# Altium PCB MCC17.PcbDoc (part 3 of 5)
Units mm, origin at the board's own origin, x right, y up, seen from the top; angles counter-clockwise.
Board outline 170 x 100 mm, 2 copper layers (Top Layer, Bottom Layer), stack 1.571 mm thick; 112 components, 68 nets, 349 pads, 74 vias.
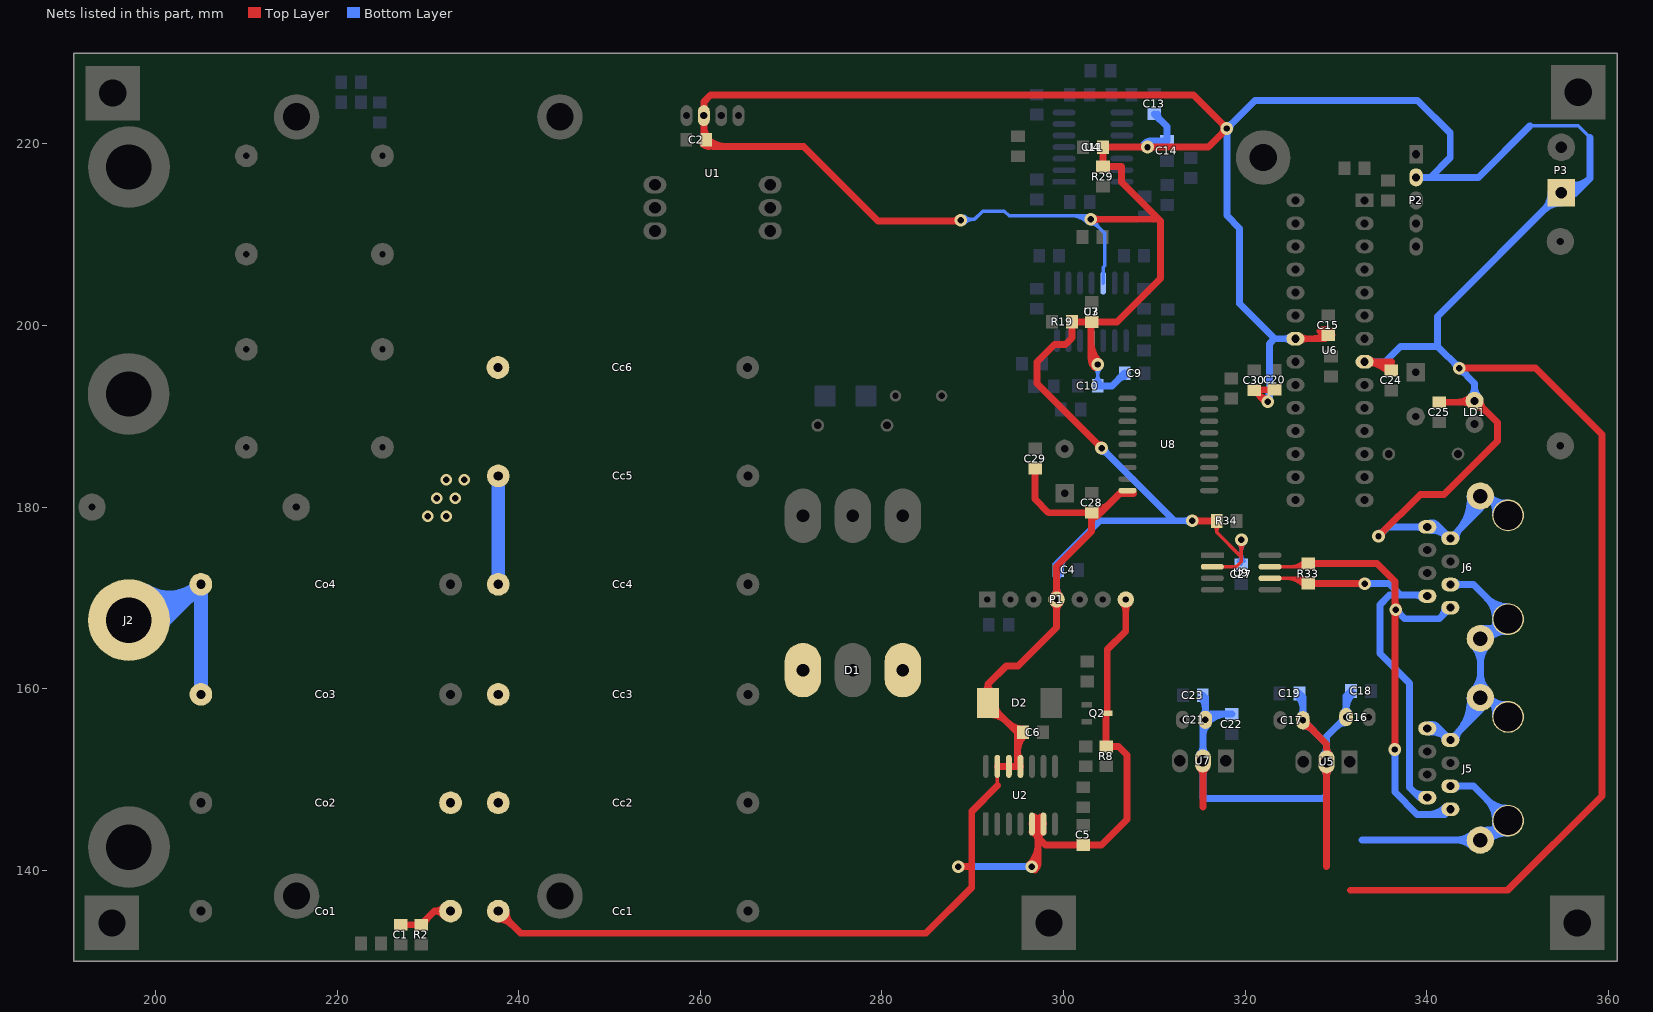
[diagram p3: the nets of this part, all layers, seen from the top]

## Via types
v1: diameter 1.4, hole 0.7, Top Layer to Bottom Layer, 48 vias
v2: diameter 1.27, hole 0.711, Top Layer to Bottom Layer, 24 vias
v3: diameter 5, hole 5, Top Layer to Bottom Layer, 2 vias

## Nets (pads, with @x,y where several pads share a name; then routed paths per layer and width w, separated by ;. In a path a pad name is that pad's centre, name@x,y a point inside that pad or via, vN(x,y) a via of type N, cw(c..) or ccw(c..) an arc to the next point about the centre after c; other vN are vias at no path point) (continued)
CAN_GND: C1.2 C2.2 C4.1 C5.1 C6.1 C7.1 C9.1 C10.1 C11.1 C13.1 C14.1 C15.2 C16.2 C17.2 C18.1 C19.1 C20.1 C21.2 C22.1 C23.1 C24.1 C25.1 C27.2 C28.1 C29.1 C30.2 Cc1.2 Cc2.2 Cc3.2 Cc4.2 Cc5.2 Cc6.2 Co1.2 Co2.2 Co3.2 Co4.2 D1.1 D1.3 D2.1 J2.1 J5.3 J5.7 J5.8 J5.S J6.3 J6.7 J6.8 J6.S LD1.2 P1.4 P1.7 P2.2 P3.1 Q2.3 R2.2 R8.1 R19.1 R29.1 R34.2 U1.8 U2.5 U2.6 U2.11 U2.12 U2.13 U3.5 U3.11 U4.11 U5.2 U6.8 U6.22 U7.2 U8.9 U9.2 | length 1793.5
  Top Layer w0.381: U1.8@260.395,222.865 U1.8@260.395,223.12 ; 292.72,149.32 U2.13@292.72,151.45 ; R19.1@300.95,200.4 R19.1@301.05,200.4 ; C7.1@303.05,200.4 C7.1@303.1,200.4 ; C11.1@304.35,219.65 C11.1@304.4,219.65 ; R8.1@304.7,153.65 R8.1@304.825,153.775 ; Q2.3@304.825,157.175 Q2.3@304.825,157.3 ; U9.2@316.399,173.429 319.029,173.429 319.6,174 v1(319.6,176.4) ; R34.2@316.875,178.287 316.875,177.225 319.5,174.6 ; v1@319.24,176.04 cw(c318.37,175.17) 319.6,175.17 cw(c320.83,175.17) v1@319.96,176.04 ; v1@319.286,176.086 cw(c318.527,175.327) 319.6,175.327 cw(c320.673,175.327) v1@319.914,176.086 ; C20.1@323.2,192.875 C20.1@323.25,192.925 ; P2.2@338.84,216.315 P2.2@339,216.315 ; 316.875,177.266 cw(c317.984,177.266) 317.2,178.05 ccw(c317.984,177.266) 316.875,177.266 ; 316.875,177.266 ccw(c315.766,177.266) 316.55,178.05 cw(c315.766,177.266) 316.875,177.266
  Top Layer w0.762: C1.2@227,134 R2.2@229.25,134 230.75,135.5 ; Co1.2@232.5,135.5 230.75,135.5 ; Cc1.2@237.75,135.5 240.18,133.07 284.87,133.07 289.9,138.1 289.9,140.4 ; 287.712,211.51 ccw(c287.712,212.587) v1@288.474,211.825 ; v1(288.4,140.4) 289.9,140.4 ; v1@288.626,140.174 cw(c289.17,139.63) 289.17,140.4 cw(c289.17,141.17) v1@288.626,140.625 ; v1(288.699,211.6) 288.609,211.51 279.585,211.51 271.394,219.7 261.4,219.7 C2.2@260.65,220.45 260.395,220.705 U1.8@260.395,223.12 260.395,224.645 261.15,225.4 314.3,225.4 v1(318,221.7) 315.95,219.65 v1(309.25,219.65) C11.1@304.35,219.65 R29.1@304.35,217.5 306.4,217.5 306.4,215.8 310.5,211.7 ; 292.72,149.32 289.9,146.5 289.9,140.4 ; U2.13@292.72,151.45 U2.12@293.99,151.45 U2.11@295.26,151.45 294.95,151.76 C6.1@294.95,155.2 ; C6.1@295.55,155.2 C6.1@294.95,155.2 ; v1@296.274,140.626 ccw(c294.04,142.86) 297.2,142.86 ; v1(296.5,140.4) 297.2,141.1 297.2,143.6 ; U2.5@296.53,145.1 297.2,145.1 ; v1@296.813,140.087 ccw(c295.88,141.02) 297.2,141.02 ; C29.1@296.876,184.251 296.876,180.876 298.376,179.376 C28.1@303.101,179.376 C28.1@303.101,179.376 303.1,177.3 299.245,173.445 P1.4@299.245,169.825 299.245,166.755 294.99,162.5 293.7,162.5 291.7,160.5 ; U2.6@297.8,145.1 297.2,145.1 ; v1(302.999,211.7) 310.5,211.7 ; 303.05,196.38 ccw(c304.456,196.38) v1@303.462,195.386 ; 303.05,198.22 ccw(c306.295,198.22) v1@304.001,195.925 ; v1@303.225,211.474 cw(c303.77,210.929) 303.77,211.7 cw(c303.77,212.47) v1@303.225,211.925 ; v1(303.775,195.7) 303.05,196.425 C7.1@303.05,200.4 ; v1@303.881,186.5 ccw(c303.111,186.5) 303.655,187.045 ccw(c304.2,187.589) v1@304.2,186.819 ; 304.076,179.376 306.2,181.5 307.051,181.5 307.7,181.5 ; v1(304.2,186.5) 297.1,193.6 297.1,196 299,197.9 300.2,197.9 300.95,198.65 R19.1@300.95,200.4 C7.1@303.05,200.4 ; Q2.3@304.7,157.175 R8.1@304.7,153.65 306.05,153.65 307,152.7 307,145.6 304.2,142.8 C5.1@302.2,142.8 298,142.8 297.2,143.6 ; Q2.3@304.825,157.3 304.825,164.325 306.865,166.365 P1.7@306.865,169.825 ; v1@309.024,219.424 ccw(c308.48,218.88) 308.48,219.65 ccw(c308.48,220.42) v1@309.024,219.876 ; v1@309.476,219.424 cw(c310.02,218.88) 310.02,219.65 cw(c310.02,220.42) v1@309.476,219.876 ; v1(314.2,178.5) 314.225,178.475 R34.2@316.875,178.475 ; v1@314.38,178.68 ccw(c314.874,179.174) v1@314.874,178.475 ; v1@314.426,178.274 cw(c314.91,177.79) 314.91,178.475 ; v1@314.426,178.726 ccw(c315.03,179.33) 315.03,178.475 ; 315.36,146.96 U7.2@315.36,152.05 ; v1@318,221.381 ccw(c318,220.611) 317.455,221.155 ccw(c316.911,221.7) 317.681,221.7 ccw(c316.911,221.7) 317.455,222.245 ccw(c318,222.789) v1@318,222.019 ; C30.2@321.572,192.303 ccw(c322.499,193.229) v1@322.499,191.919 ; v1@322.387,191.488 C30.2@321,192.875 321.05,192.925 C20.1@323.25,192.925 ; U6.22@325.545,198.545 328.785,198.545 C15.2@329.165,198.925 328.504,199.586 ; U6.22@325.806,198.284 cw(c326.436,197.654) 326.436,198.545 cw(c326.436,199.436) U6.22@325.806,198.806 ; U6.22@326.056,198.284 cw(c326.686,197.654) 326.686,198.545 cw(c326.686,199.436) U6.22@326.056,198.806 ; C17.2@326.375,155.906 cw(c326.375,154.412) 327.432,155.468 ; C17.2@326.375,156.525 328.975,153.925 ; U5.2@328.616,151.21 cw(c327.749,150.343) 328.975,150.343 cw(c330.201,150.343) U5.2@329.334,151.21 ; 328.975,140.425 U5.2@328.975,151.95 ; 328.975,153.557 ccw(c330.201,153.557) U5.2@329.334,152.69 ; 331.6,137.8 348.9,137.8 359.3,148.2 359.3,188 352,195.3 v1(343.6,195.3) ; U6.8@333.676,195.744 cw(c334.306,195.114) 334.306,196.005 cw(c334.306,196.896) U6.8@333.676,196.266 ; v1(334.7,176.8) 339.3,181.4 341.9,181.4 347.8,187.3 347.8,189.306 LD1.2@345.406,191.7 ; v1@334.7,177.119 ccw(c334.7,177.889) 335.245,177.345 ccw(c335.789,176.8) v1@335.019,176.8 ; C24.1@336.115,195.05 335.16,196.005 ; 336.115,196.005 335.16,196.005 ; C25.1@341.39,191.55 LD1.2@345.125,191.55 ; 343.418,191.55 ccw(c343.418,193.557) LD1.2@344.837,192.138 ; v1@343.825,195.075 cw(c344.37,194.53) 344.37,195.3 cw(c344.37,196.07) v1@343.825,195.526 ; 344.143,191.55 cw(c344.143,190.568) LD1.2@344.837,191.262 ; LD1.2@345.275,191.081 cw(c345.275,189.269) 346.556,190.55 ; LD1.2@345.894,191.7 ccw(c347.071,191.7) 346.239,190.868 ; R2.2@229.619,134 cw(c230.51,134) R2.2@229.88,134.63 ; R2.2@229.619,134 cw(c230.51,134) R2.2@229.88,134.63 ; R2.2@229.619,134 cw(c230.51,134) R2.2@229.88,134.63 ; R2.2@229.619,134 cw(c230.51,134) R2.2@229.88,134.63 ; 230.75,135.5 cw(c230.75,134.173) Co1.2@231.808,134.975 ; 230.75,135.5 ccw(c230.75,136.827) Co1.2@231.808,136.025 ; 230.75,135.5 cw(c230.75,134.173) Co1.2@231.808,134.975 ; 230.75,135.5 ccw(c230.75,136.827) Co1.2@231.808,136.025 ; 230.75,135.5 ccw(c230.75,136.827) Co1.2@231.808,136.025 ; 230.75,135.5 cw(c230.75,134.173) Co1.2@231.808,134.975 ; 230.75,135.5 ccw(c230.75,136.827) Co1.2@231.808,136.025 ; 230.75,135.5 cw(c230.75,134.173) Co1.2@231.808,134.975 ; Cc1.2@237.75,134.631 cw(c237.75,132.533) 239.233,134.017 ; Cc1.2@237.75,134.631 cw(c237.75,132.533) 239.233,134.017 ; Cc1.2@237.75,134.631 cw(c237.75,132.533) 239.233,134.017 ; Cc1.2@237.75,134.631 cw(c237.75,132.533) 239.233,134.017 ; Cc1.2@238.619,135.5 ccw(c240.717,135.5) 239.233,134.017 ; Cc1.2@238.619,135.5 ccw(c240.717,135.5) 239.233,134.017 ; Cc1.2@238.619,135.5 ccw(c240.717,135.5) 239.233,134.017 ; Cc1.2@238.619,135.5 ccw(c240.717,135.5) 239.233,134.017 ; C2.2@260.301,220.001 ccw(c261.029,220.729) 261.029,219.7 ; C2.2@260.301,220.001 ccw(c261.029,220.729) 261.029,219.7 ; C2.2@260.301,220.001 ccw(c261.029,220.729) 261.029,219.7 ; C2.2@260.301,220.001 ccw(c261.029,220.729) 261.029,219.7 ; 260.395,221.815 ccw(c261.915,221.815) C2.2@260.84,220.74 ; 260.395,221.815 ccw(c261.915,221.815) C2.2@260.84,220.74 ; 260.395,221.815 ccw(c261.915,221.815) C2.2@260.84,220.74 ; 260.395,221.815 ccw(c261.915,221.815) C2.2@260.84,220.74 ; C2.2@260.65,220.081 cw(c260.65,219.19) C2.2@261.28,219.82 ; C2.2@260.65,220.081 cw(c260.65,219.19) C2.2@261.28,219.82 ; C2.2@260.65,220.081 cw(c260.65,219.19) C2.2@261.28,219.82 ; C2.2@260.65,220.081 cw(c260.65,219.19) C2.2@261.28,219.82 ; C2.2@260.84,220.54 ccw(c262.869,222.569) 262.869,219.7 ; C2.2@260.84,220.54 ccw(c262.869,222.569) 262.869,219.7 ; C2.2@260.84,220.54 ccw(c262.869,222.569) 262.869,219.7 ; C2.2@260.84,220.54 ccw(c262.869,222.569) 262.869,219.7 ; 287.727,211.51 ccw(c287.727,212.773) v1@288.62,211.88 ; 287.727,211.51 ccw(c287.727,212.773) v1@288.62,211.88 ; 287.727,211.51 ccw(c287.727,212.773) v1@288.62,211.88 ; D2.1@291.7,157.181 cw(c291.7,154.117) 293.866,156.284 ; D2.1@291.7,157.181 cw(c291.7,154.117) 293.866,156.284 ; D2.1@291.7,157.181 cw(c291.7,154.117) 293.866,156.284 ; D2.1@291.7,157.181 cw(c291.7,154.117) 293.866,156.284 ; 291.7,160.5 cw(c290.547,160.5) 291.221,159.564 ccw(c290.547,160.5) 291.7,160.5 ; 291.7,160.5 ccw(c292.853,160.5) 292.179,159.564 cw(c292.853,160.5) 291.7,160.5 ; 291.7,160.5 D2.1@291.7,158.45 C6.1@294.95,155.2 ; D2.1@292.519,158 ccw(c293.41,158) D2.1@292.78,157.37 ; D2.1@292.519,158 ccw(c293.41,158) D2.1@292.78,157.37 ; D2.1@292.519,158 ccw(c293.41,158) D2.1@292.78,157.37 ; D2.1@292.519,158 ccw(c293.41,158) D2.1@292.78,157.37 ; 293.896,156.254 ccw(c295.55,157.908) C6.1@295.55,155.569 ; 293.896,156.254 ccw(c295.55,157.908) C6.1@295.55,155.569 ; 293.896,156.254 ccw(c295.55,157.908) C6.1@295.55,155.569 ; 293.896,156.254 ccw(c295.55,157.908) C6.1@295.55,155.569 ; 294.95,152.998 ccw(c295.855,152.998) U2.11@295.215,152.358 ; 294.95,152.998 ccw(c295.855,152.998) U2.11@295.215,152.358 ; 294.95,152.998 ccw(c295.855,152.998) U2.11@295.215,152.358 ; 294.95,152.998 ccw(c295.855,152.998) U2.11@295.215,152.358 ; 294.95,153.002 cw(c297.648,153.002) C6.1@295.74,154.91 ; 294.95,153.002 cw(c297.648,153.002) C6.1@295.74,154.91 ; 294.95,153.002 cw(c297.648,153.002) C6.1@295.74,154.91 ; 294.95,153.002 cw(c297.648,153.002) C6.1@295.74,154.91 ; C6.1@294.95,154.842 cw(c295.808,154.842) C6.1@295.201,155.449 ; C6.1@294.95,154.842 cw(c295.808,154.842) C6.1@295.201,155.449 ; C6.1@294.95,154.842 cw(c295.808,154.842) C6.1@295.201,155.449 ; C6.1@294.95,154.842 cw(c295.808,154.842) C6.1@295.201,155.449 ; v1@296.32,140.58 ccw(c294.197,142.703) 297.2,142.703 ; v1@296.32,140.58 ccw(c294.197,142.703) 297.2,142.703 ; v1@296.32,140.58 ccw(c294.197,142.703) 297.2,142.703 ; U2.5@296.536,145.163 cw(c296.463,144.43) 297.2,144.43 ; U2.5@296.536,145.163 cw(c296.463,144.43) 297.2,144.43 ; U2.5@296.536,145.163 cw(c296.463,144.43) 297.2,144.43 ; U2.5@296.536,145.163 cw(c296.463,144.43) 297.2,144.43 ; U2.5@296.552,144.207 cw(c296.216,143.282) 297.2,143.282 ; U2.5@296.552,144.207 cw(c296.216,143.282) 297.2,143.282 ; U2.5@296.552,144.207 cw(c296.216,143.282) 297.2,143.282 ; U2.5@296.552,144.207 cw(c296.216,143.282) 297.2,143.282 ; U2.5@296.612,145.921 cw(c296.547,145.272) 297.2,145.272 ; U2.5@296.612,145.921 cw(c296.547,145.272) 297.2,145.272 ; U2.5@296.612,145.921 cw(c296.547,145.272) 297.2,145.272 ; U2.5@296.612,145.921 cw(c296.547,145.272) 297.2,145.272 ; U2.5@296.812,144.924 cw(c296.61,144.369) 297.2,144.369 ; U2.5@296.812,144.924 cw(c296.61,144.369) 297.2,144.369 ; U2.5@296.812,144.924 cw(c296.61,144.369) 297.2,144.369 ; U2.5@296.812,144.924 cw(c296.61,144.369) 297.2,144.369 ; v1@296.859,140.041 ccw(c296.036,140.864) 297.2,140.864 ; v1@296.859,140.041 ccw(c296.036,140.864) 297.2,140.864 ; v1@296.859,140.041 ccw(c296.036,140.864) 297.2,140.864 ; 297.2,143.335 cw(c298.147,143.335) U2.6@297.775,144.206 ; 297.2,143.335 cw(c298.147,143.335) U2.6@297.775,144.206 ; 297.2,143.335 cw(c298.147,143.335) U2.6@297.775,144.206 ; 297.2,143.335 cw(c298.147,143.335) U2.6@297.775,144.206 ; 297.2,143.6 297.2,145.1 ; 297.2,144.5 cw(c297.867,144.5) U2.6@297.793,145.163 ; 297.2,144.5 cw(c297.867,144.5) U2.6@297.793,145.163 ; 297.2,144.5 cw(c297.867,144.5) U2.6@297.793,145.163 ; 297.2,144.5 cw(c297.867,144.5) U2.6@297.793,145.163 ; 297.2,145.352 cw(c297.772,145.352) U2.6@297.708,145.92 ; 297.2,145.352 cw(c297.772,145.352) U2.6@297.708,145.92 ; 297.2,145.352 cw(c297.772,145.352) U2.6@297.708,145.92 ; 297.2,145.352 cw(c297.772,145.352) U2.6@297.708,145.92 ; P1.4@298.878,170.192 ccw(c297.992,171.078) 299.245,171.078 ; P1.4@298.878,170.192 ccw(c297.992,171.078) 299.245,171.078 ; P1.4@298.878,170.192 ccw(c297.992,171.078) 299.245,171.078 ; P1.4@298.878,170.192 ccw(c297.992,171.078) 299.245,171.078 ; 299.245,168.572 cw(c300.498,168.572) 299.612,169.458 ccw(c300.498,168.572) 299.245,168.572 ; 299.245,168.572 ccw(c297.992,168.572) 298.878,169.458 cw(c297.992,168.572) 299.245,168.572 ; 299.245,171.078 ccw(c300.498,171.078) P1.4@299.612,170.192 ; 299.245,171.078 ccw(c300.498,171.078) P1.4@299.612,170.192 ; 299.245,171.078 ccw(c300.498,171.078) P1.4@299.612,170.192 ; 299.245,171.078 ccw(c300.498,171.078) P1.4@299.612,170.192 ; C7.1@303.05,200.4 C7.1@303.1,200.4 305.9,200.4 310.7,205.2 310.7,211.5 310.5,211.7 ; C28.1@303.201,179.645 ccw(c303.201,182.407) 305.154,180.454 ; C28.1@303.201,179.645 ccw(c303.201,182.407) 305.154,180.454 ; C28.1@303.201,179.645 ccw(c303.201,182.407) 305.154,180.454 ; P1.7@306.498,169.458 cw(c305.612,168.572) 306.865,168.572 ; P1.7@306.498,169.458 cw(c305.612,168.572) 306.865,168.572 ; P1.7@306.498,169.458 cw(c305.612,168.572) 306.865,168.572 ; P1.7@306.498,169.458 cw(c305.612,168.572) 306.865,168.572 ; 306.865,168.572 cw(c308.118,168.572) P1.7@307.232,169.458 ; 306.865,168.572 cw(c308.118,168.572) P1.7@307.232,169.458 ; 306.865,168.572 cw(c308.118,168.572) P1.7@307.232,169.458 ; 306.865,168.572 cw(c308.118,168.572) P1.7@307.232,169.458 ; U7.2@315.001,151.31 cw(c314.134,150.443) 315.36,150.443 ; U7.2@315.001,151.31 cw(c314.134,150.443) 315.36,150.443 ; U7.2@315.001,151.31 cw(c314.134,150.443) 315.36,150.443 ; 315.36,150.443 cw(c316.586,150.443) U7.2@315.719,151.31 ; 315.36,150.443 cw(c316.586,150.443) U7.2@315.719,151.31 ; 315.36,150.443 cw(c316.586,150.443) U7.2@315.719,151.31 ; C30.2@321.29,192.685 cw(c321.87,192.105) 321.87,192.925 ; C30.2@321.29,192.685 cw(c321.87,192.105) 321.87,192.925 ; C30.2@321.29,192.685 cw(c321.87,192.105) 321.87,192.925 ; C30.2@321.29,192.685 cw(c321.87,192.105) 321.87,192.925 ; C17.2@326.375,156.156 cw(c326.375,155.265) C17.2@327.005,155.895 ; C17.2@326.375,156.156 cw(c326.375,155.265) C17.2@327.005,155.895 ; C17.2@326.375,156.156 cw(c326.375,155.265) C17.2@327.005,155.895 ; C17.2@326.744,156.525 ccw(c327.635,156.525) C17.2@327.005,155.895 ; C17.2@326.744,156.525 ccw(c327.635,156.525) C17.2@327.005,155.895 ; C17.2@326.744,156.525 ccw(c327.635,156.525) C17.2@327.005,155.895 ; 327.498,198.545 ccw(c327.498,200.492) C15.2@328.875,199.115 ; 327.498,198.545 ccw(c327.498,200.492) C15.2@328.875,199.115 ; 327.498,198.545 ccw(c327.498,200.492) C15.2@328.875,199.115 ; 327.498,198.545 ccw(c327.498,200.492) C15.2@328.875,199.115 ; C15.2@328.535,199.555 cw(c327.905,198.925) C15.2@328.796,198.925 ; C15.2@328.535,199.555 cw(c327.905,198.925) C15.2@328.796,198.925 ; C15.2@328.535,199.555 cw(c327.905,198.925) C15.2@328.796,198.925 ; C15.2@328.535,199.555 cw(c327.905,198.925) C15.2@328.796,198.925 ; U6.8@333.165,196.005 cw(c333.165,192.344) C24.1@335.82,194.865 ; U6.8@333.165,196.005 cw(c333.165,192.344) C24.1@335.82,194.865 ; U6.8@333.165,196.005 cw(c333.165,192.344) C24.1@335.82,194.865 ; U6.8@333.165,196.005 cw(c333.165,192.344) C24.1@335.82,194.865 ; U6.8@333.165,196.005 335.16,196.005 ; U6.8@333.426,195.744 cw(c334.056,195.114) U6.8@334.056,196.005 ; U6.8@333.426,195.744 cw(c334.056,195.114) U6.8@334.056,196.005 ; U6.8@333.426,195.744 cw(c334.056,195.114) U6.8@334.056,196.005 ; U6.8@333.426,196.266 ccw(c334.056,196.896) U6.8@334.056,196.005 ; U6.8@333.426,196.266 ccw(c334.056,196.896) U6.8@334.056,196.005 ; U6.8@333.426,196.266 ccw(c334.056,196.896) U6.8@334.056,196.005 ; 334.939,196.005 cw(c334.939,194.029) C24.1@336.373,195.389 ; 334.939,196.005 cw(c334.939,194.029) C24.1@336.373,195.389 ; 334.939,196.005 cw(c334.939,194.029) C24.1@336.373,195.389 ; 334.939,196.005 cw(c334.939,194.029) C24.1@336.373,195.389 ; C24.1@335.485,195.68 cw(c334.855,195.05) C24.1@335.746,195.05 ; C24.1@335.485,195.68 cw(c334.855,195.05) C24.1@335.746,195.05 ; C24.1@335.485,195.68 cw(c334.855,195.05) C24.1@335.746,195.05 ; C24.1@335.485,195.68 cw(c334.855,195.05) C24.1@335.746,195.05 ; 303.05,199.63 cw(c303.87,199.63) 303.29,200.21 ccw(c303.87,199.63) 303.05,199.63 ; 303.1,178.724 cw(c303.753,178.724) 303.291,179.186 ccw(c303.753,178.724) 303.1,178.724 ; C28.1@303.201,178.883 ccw(c303.201,179.805) 303.853,179.153 cw(c303.201,179.805) C28.1@303.201,178.883 ; C30.2@321.369,192.875 ccw(c322.26,192.875) 321.63,192.245 cw(c322.26,192.875) C30.2@321.369,192.875 ; 328.225,199.407 ccw(c328.812,199.994) 329.003,199.187 cw(c328.812,199.994) 328.225,199.407 ; 328.881,199.586 cw(c328.881,198.908) 329.556,198.97 ccw(c328.881,198.908) 328.881,199.586 ; C24.1@335.722,195.039 cw(c336.736,195.062) 336.019,195.779 ccw(c336.736,195.062) C24.1@335.722,195.039
  Bottom Layer w0.381: v1(288.699,211.6) 288.8,211.7 290.2,211.7 291.1,212.6 293.5,212.6 294.011,212.089 v1@302.61,212.089 ; v1@289.06,211.239 cw(c290.172,210.127) 290.172,211.7 ; v1@289.06,211.96 ccw(c289.687,212.587) 289.687,211.7 ; 300.804,212.089 v1@302.61,212.089 ; 300.986,212.089 cw(c300.986,209.686) v1@302.685,211.385 ; 301.906,212.089 cw(c301.906,210.606) v1@302.954,211.655 ; v1@302.999,211.19 cw(c302.999,209.96) 303.869,210.83 cw(c304.739,211.7) v1@303.509,211.7 ; U3.11@303.1,198.325 303.1,196.8 303.775,196.125 v1(303.775,195.7) C10.1@303.775,193.35 ; 303.405,196.495 cw(c302.784,195.875) v1@303.648,195.722 ; v1@303.415,195.339 cw(c302.545,194.47) 303.775,194.47 cw(c305.005,194.47) v1@304.135,195.339 ; 303.45,196.45 cw(c302.804,195.805) v1@303.712,195.706 ; v1@303.461,195.385 cw(c302.702,194.626) 303.775,194.626 cw(c304.848,194.626) v1@304.089,195.385 ; U3.5@304.37,204.675 304.37,206.42 304.535,206.585 304.535,210.164 v1(302.999,211.7) v1@302.61,212.089 ; U4.11@306.425,219.65 v1(309.25,219.65) ; v1@308.89,219.29 ccw(c308.02,218.42) 308.02,219.65 ccw(c308.02,220.88) v1@308.89,220.01 ; v1@319.24,176.04 cw(c318.37,175.17) 319.6,175.17 cw(c320.83,175.17) v1@319.96,176.04 ; v1@319.286,176.086 cw(c318.527,175.327) 319.6,175.327 cw(c320.673,175.327) v1@319.914,176.086 ; C27.2@319.6,173.7 v1(319.6,176.4) ; U6.22@325.545,198.545 U6.22@325.645,198.545 ; U6.8@333.561,195.609 cw(c334.516,194.654) 334.516,196.005 cw(c334.516,197.356) U6.8@333.561,196.401 ; LD1.2@344.975,192.006 ccw(c344.278,192.719) 345.275,192.719 ccw(c346.272,192.719) LD1.2@345.575,192.006 ; 351.4,222 356.7,222 358,220.7 ; v1@289.114,211.386 cw(c289.873,210.627) 289.873,211.7 ; v1@289.114,211.386 cw(c289.873,210.627) 289.873,211.7 ; v1@289.114,211.386 cw(c289.873,210.627) 289.873,211.7 ; v1@289.114,212.014 ccw(c289.873,212.773) 289.873,211.7 ; v1@289.114,212.014 ccw(c289.873,212.773) 289.873,211.7 ; v1@289.114,212.014 ccw(c289.873,212.773) 289.873,211.7 ; 303.775,194.559 cw(c302.666,194.559) 303.45,193.775 ccw(c302.666,194.559) 303.775,194.559 ; 303.775,194.559 ccw(c304.884,194.559) 304.1,193.775 cw(c304.884,194.559) 303.775,194.559 ; 319.6,174.809 cw(c318.491,174.809) 319.275,174.025 ccw(c318.491,174.809) 319.6,174.809 ; 319.6,174.809 ccw(c320.709,174.809) 319.925,174.025 cw(c320.709,174.809) 319.6,174.809 ; 300.829,212.089 cw(c300.829,209.529) 302.639,211.339 ccw(c300.829,209.529) 300.829,212.089 ; 301.749,212.089 cw(c301.749,210.449) 302.909,211.609 ccw(c301.749,210.449) 301.749,212.089